# Altium PCB develboard_eva.PcbDoc (part 3 of 4)
Units mm, origin at the board's own origin, x right, y up, seen from the top; angles counter-clockwise.
Board outline 84 x 120 mm, 4 copper layers (Top Layer, Inner, GND, Bottom Layer), stack 1.668 mm thick; 201 components, 260 nets, 1028 pads, 870 vias.
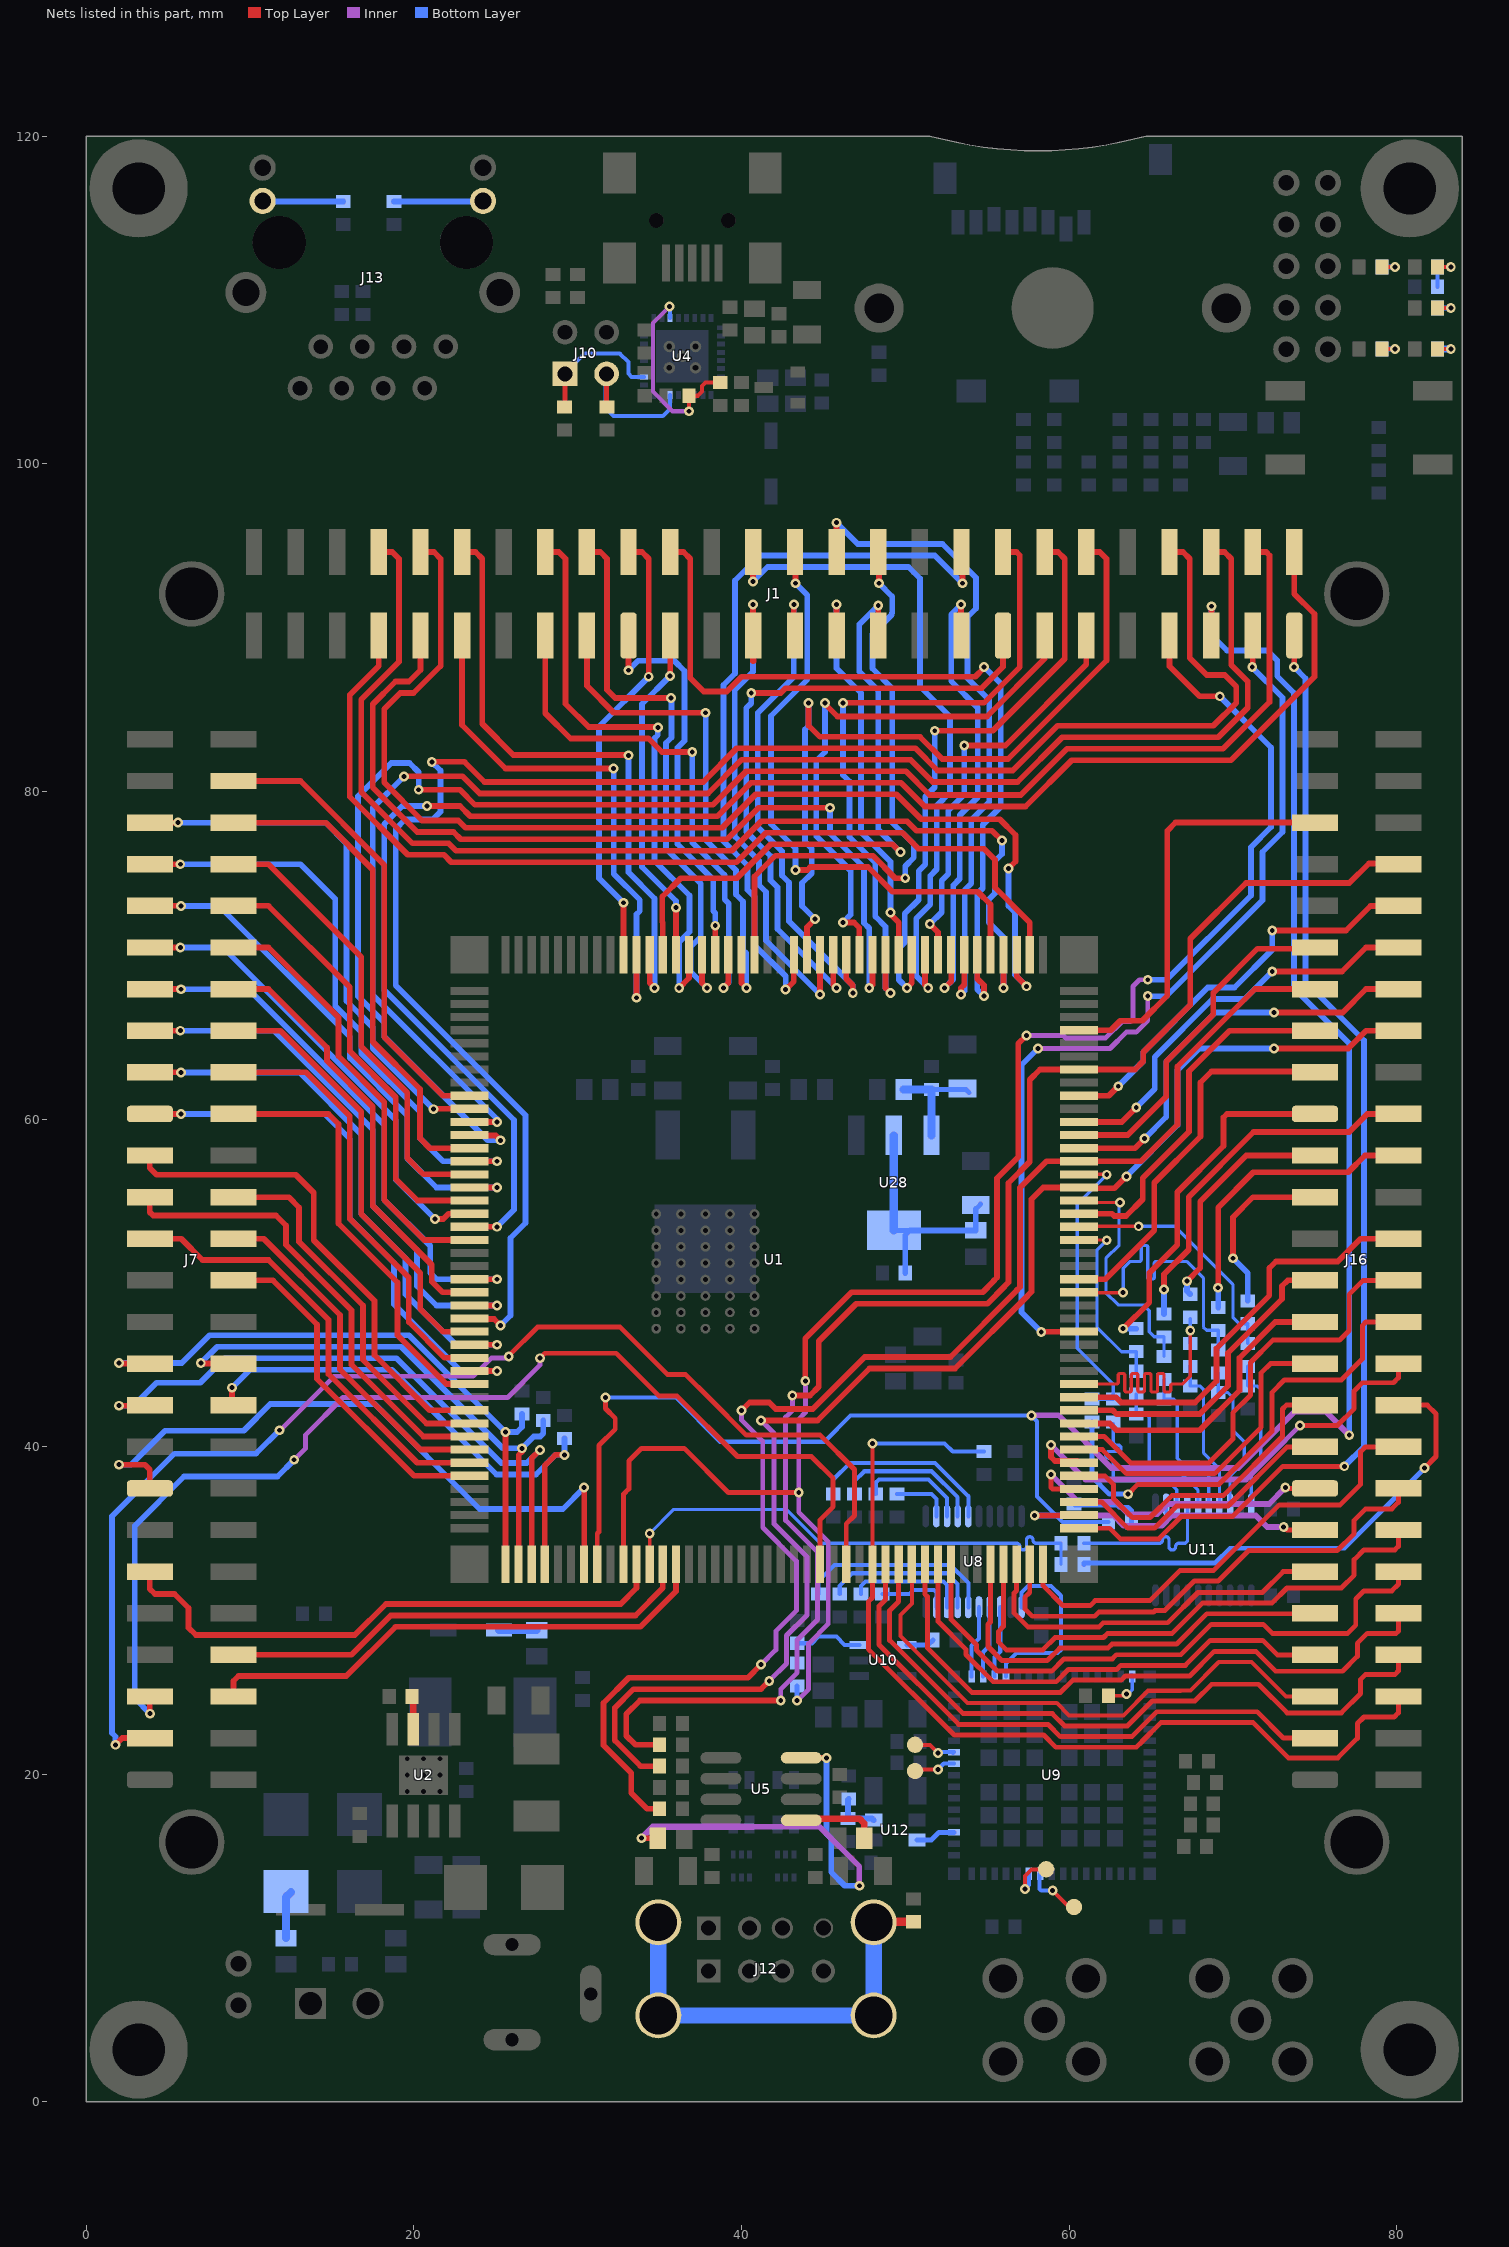
[diagram p5: the nets of this part, all layers, seen from the top]

## Via types
v1: diameter 0.6, hole 0.3, Top Layer to Bottom Layer, 866 vias
v2: diameter 0.5, hole 0.25, Top Layer to Bottom Layer, 4 vias

## Nets (pads, with @x,y where several pads share a name; then routed paths per layer and width w, separated by ;. In a path a pad name is that pad's centre, name@x,y a point inside that pad or via, vN(x,y) a via of type N, cw(c..) or ccw(c..) an arc to the next point about the centre after c; other vN are vias at no path point) (continued)
NetC49_1: C49.1 C73.2 L12.2 U28.3 | length 6.9
  Bottom Layer w0.3: C73.2@51.6,61.8 53.7,61.8 C49.1@53.9,61.6
  Bottom Layer w0.5: L12.2@49.9,61.8 C73.2@51.6,61.8 U28.3@51.6,59
NetC50_1: C50.1 C74.2 L16.2 U28.2 U28.4 | length 15
  Bottom Layer w0.3: U28.4@49.5,53.2 50.3,53.2 U28.4@50,52.9 ; C50.1@54.3,54.5 C50.1@54.6,54.8
  Bottom Layer w0.35: C74.2@50,50.6 U28.4@50,52.9 ; U28.4@50.3,53.2 L16.2@54.3,53.2 C50.1@54.3,54.5
  Bottom Layer w0.5: U28.4@49.3,53.2 U28.2@49.3,59
NetD1_2: D1.2 L2.2 | length 2.9
  Bottom Layer w0.5: L2.2@12.2,10 12.2,12.5 D1.2@12.5,12.8
NetD3_2: D3.2 R14.2 R15.2 | length 2.8
  Top Layer w0.25: D3.2@82.5,112 v1(83.3,112)
  Bottom Layer w0.25: R15.2@82.5,110.8 R14.2@82.5,112 v1(83.3,112)
NetD4_2: D4.2 R16.2 | length 1.6
  Top Layer w0.25: D4.2@79.1,107 v1(79.9,107)
  Bottom Layer w0.3: R16.2@79.1,107 v1(79.9,107)
NetD5_2: D5.2 R17.2 | length 1.6
  Top Layer w0.25: D5.2@82.5,107 v1(83.3,107)
  Bottom Layer w0.45: R17.2@82.5,107 v1(83.3,107)
NetD6_2: D6.2 L17.1 | length 2.3
  Bottom Layer w0.5: D6.2@25.2,28.8 L17.1@27.5,28.8
NetD8_2: D8.2 R8.2 | length 1.6
  Top Layer w0.25: D8.2@79.1,112 v1(79.9,112)
  Bottom Layer w0.3: R8.2@79.1,112 v1(79.9,112)
NetD17_2: D17.2 R150.2 | length 1.6
  Top Layer w0.25: D17.2@82.5,109.5 v1(83.3,109.5)
  Bottom Layer w0.3: R150.2@82.5,109.5 v1(83.3,109.5)
NetJ10_1: J10.1 R38.2 U4.2 | length 8.4
  Top Layer w0.3: R38.2@29.2,103.45 29.23,103.48 J10.1@29.23,105.48
  Bottom Layer w0.25: J10.1@29.2,105.5 30.43,106.73 32.57,106.73 33.1,106.2 33.1,105.5 33.3,105.3 U4.2@34.05,105.3
NetJ10_3: J10.3 R37.2 U4.30 | length 9.3
  Top Layer w0.3: J10.3@31.77,105.48 31.77,103.48 R37.2@31.8,103.45
  Bottom Layer w0.25: J10.3@31.7,105.5 31.7,103.4 32.2,102.9 35.2,102.9 35.65,103.35 U4.30@35.65,104.2
NetJ12_Z1: J12.Z1 J12.Z2 J12.Z3 J12.Z4 L20.1 | length 27.1
  Top Layer w0.35: J12.Z2@48.07,10.96 J12.Z2@48.11,11
  Top Layer w0.5: J12.Z2@48.11,11 L20.1@50.5,11
  Bottom Layer w1: J12.Z1@34.93,10.96 J12.Z3@34.93,5.28 J12.Z4@48.06,5.28 ; J12.Z2@48.07,10.96 J12.Z4@48.07,5.29 ; J12.Z4@48.1,5.22 48.07,5.25 J12.Z4@48.07,5.28 J12.Z4@48.07,5.29 ; J12.Z4@48.1,5.32 J12.Z4@48.07,5.29
NetJ13_9: J13.9 R55.1 | length 5.6
  Bottom Layer w0.35: R55.1@18.8,116 J13.9@24.4,116
NetJ13_11: J13.11 R56.1 | length 4.9
  Bottom Layer w0.35: J13.11@10.775,116.04 10.815,116 R56.1@15.7,116
NetL8_2: L8.2 U5.8 | length 27.4
  Top Layer w0.35: v1(33.9,16.1) 34.7,16.1 L8.2@34.8,16.2 ; U5.8@43.65,21.005 45.195,21.005 v1(45.2,21)
  Inner w0.35: 40.7,16.8 44.767,16.8 47.2,14.367 v1(47.2,13.2)
  Inner w0.4: v1(33.9,16.1) 34.6,16.8 40.7,16.8
  Bottom Layer w0.35: v1(45.2,21) 45.2,16.367 45.475,16.092 45.475,14.032 46.307,13.2 v1(47.2,13.2)
NetL9_2: L9.2 U5.5 | length 4.9
  Top Layer w0.4: U5.5@43.65,17.195 43.755,17.3 47.2,17.3 47.5,17 L9.2@47.5,16.1
NetR13_2: R13.2 U2.3 | length 2
  Top Layer w0.4: R13.2@19.9,24.75 19.965,24.685 U2.3@19.965,22.75
NetR35_2: R35.2 R36.2 U4.11 | length 12.8
  Top Layer w0.25: v1@36.9,103.1 v1(36.8,103.2) R35.2@36.8,104.15 37.35,104.15 37.6,104.4 37.6,104.75 37.8,104.95 R36.2@38.7,104.95
  Top Layer w0.35: R36.2@38.5,105.15 R36.2@38.7,104.95
  Inner w0.25: v1(35.6,109.6) 34.6,108.6 34.6,104.4 35.8,103.2 v1(36.8,103.2)
  Bottom Layer w0.25: v1(35.6,109.6) 35.65,109.55 U4.11@35.65,108.9
NetR61_1: R61.1 U8.6 | length 12.3
  Bottom Layer w0.25: R61.1@44.7,31 44.7,31.8 45.675,32.775 52.746,32.775 53.85,31.671 U8.6@53.85,30.2
NetR62_2: R62.2 R70.2 U10.3 | length 5.4
  Bottom Layer w0.25: R62.2@43.4,26.8 R70.2@43.4,28 44.3,28 44.7,28.4 45.8,28.4 46.3,27.9 U10.3@47.2,27.9
NetR63_1: R63.1 U9.64 | length 2.7
  Top Layer w0.2: R63.1@62.4,24.8 63.6,24.8 v1(63.5,24.9)
  Bottom Layer w0.2: v1(63.5,24.9) 63.6,24.9 63.85,25.15 U9.64@63.85,25.975
  Bottom Layer w0.3: U9.64@63.8,26.025 U9.64@63.85,25.975
NetR64_1: R64.1 U8.15 | length 11.6
  Bottom Layer w0.25: R64.1@45.6,37.1 45.6,37.979 46.621,39 51.821,39 53.85,36.971 U8.15@53.85,35.75
NetR65_1: R65.1 U8.7 | length 9.7
  Bottom Layer w0.25: R65.1@46,31 46,31.5 46.775,32.275 52.539,32.275 53.2,31.614 U8.7@53.2,30.2
NetR66_1: R66.1 U8.14 | length 9.2
  Bottom Layer w0.25: R66.1@46.9,37.1 46.9,37.9 47.5,38.5 51.614,38.5 53.2,36.914 U8.14@53.2,35.75
NetR67_1: R67.1 U8.8 | length 7.3
  Bottom Layer w0.25: R67.1@47.3,31 47.3,31.5 47.575,31.775 52.332,31.775 52.55,31.557 U8.8@52.55,30.2
NetR68_1: R68.1 U8.13 | length 6.7
  Bottom Layer w0.25: R68.1@48.2,37.1 48.2,37.8 48.4,38 51.407,38 52.55,36.857 U8.13@52.55,35.75
NetR69_1: R69.1 U8.9 | length 4.4
  Bottom Layer w0.25: R69.1@48.6,31 50.25,31 50.5,31.25 51.75,31.25 51.9,31.1 U8.9@51.9,30.2
NetR71_1: R71.1 U8.12 | length 3.6
  Bottom Layer w0.25: R71.1@49.5,37.1 51.6,37.1 51.9,36.8 U8.12@51.9,35.75
NetR72_2: R72.2 R80.1 U11.18 | length 9.4
  Bottom Layer w0.2: R80.1@69.1,44.5 R72.2@69.1,43.3 69.7,43.3 70,43 70,41 70.7,40.3 70.7,39.1 69.825,38.225 U11.18@69.825,36.475
NetR73_2: R73.2 R82.1 U11.16 | length 9.7
  Bottom Layer w0.2: R82.1@65.8,44.1 R73.2@65.8,42.9 66.4,42.9 66.6,42.7 66.6,39.3 66.85,39.05 67.95,39.05 68.525,38.475 U11.16@68.525,36.475
NetR74_2: R74.2 R83.1 U11.15 | length 9.4
  Bottom Layer w0.2: R83.1@64.1,43.2 R74.2@64.1,42 64.7,42 64.9,41.8 64.9,39 65.45,38.45 66.75,38.45 67.875,37.325 U11.15@67.875,36.475
NetR75_2: R75.2 R81.1 U11.17 | length 9.5
  Bottom Layer w0.2: R81.1@67.4,44.9 R75.2@67.4,43.7 68,43.7 68.2,43.5 68.2,39.639 69.175,38.664 U11.17@69.175,36.475
NetR76_2: R76.2 R79.1 U11.20 | length 9.3
  Bottom Layer w0.2: R79.1@70.9,44.9 R76.2@70.9,43.7 71.5,43.7 71.7,43.5 71.7,39.1 71.125,38.525 U11.20@71.125,36.475
NetR77_1: R77.1 U10.4 | length 1.7
  Bottom Layer w0.3: U10.4@50.1,27.9 51.4,27.9 R77.1@51.7,28.2
NetR78_2: R78.2 R86.1 U11.12 | length 7.7
  Bottom Layer w0.2: R86.1@63.8,35.4 64,35.2 65.7,35.2 65.925,35.425 U11.12@65.925,36.475
  Bottom Layer w0.3: R78.2@60.3,36.5 60.35,36.45 62.907,36.45 63.057,36.3 63.6,36.3 63.8,36.1 R86.1@63.8,35.4
NetR84_1: R84.1 U11.14 | length 9.7
  Bottom Layer w0.2: R84.1@60.9,34.1 63.5,34.1 65.5,34.1 ccw(c65.5,34.3) 65.7,34.3 65.7,34.309 cw(c65.9,34.309) 65.9,34.509 cw(c65.9,34.309) 66.1,34.309 66.1,34.1 66.1,33.891 ccw(c66.3,33.891) 66.3,33.691 ccw(c66.3,33.891) 66.5,33.891 66.5,33.9 cw(c66.7,33.9) 66.7,34.1 67.1,34.1 67.225,34.225 U11.14@67.225,36.475
NetR85_1: R85.1 U11.13 | length 9.7
  Bottom Layer w0.2: R85.1@62.7,41.4 62.7,40.7 62.7,40.3 ccw(c62.9,40.3) 62.9,40.1 62.972,40.1 cw(c62.972,39.9) 63.172,39.9 cw(c62.972,39.9) 62.972,39.7 62.7,39.7 62.428,39.7 ccw(c62.428,39.5) 62.228,39.5 ccw(c62.428,39.5) 62.428,39.3 62.5,39.3 cw(c62.5,39.1) 62.7,39.1 62.7,38.1 62.9,37.9 66.049,37.9 66.575,37.374 U11.13@66.575,36.475
NetR87_2: R87.2 R94.2 U12.1 | length 2.8
  Bottom Layer w0.35: R94.2@46.55,18.5 46.5,18.45 R87.2@46.5,17.3 47.975,17.3 U12.1@48.075,17.2
NetTp5_1: Tp5.1 U9.43 | length 2.8
  Top Layer w0.25: Tp5.1@50.5,21.8 Tp5.1@50.6,21.8 51.5,21.8 v1(52,21.3)
  Bottom Layer w0.25: v1(52,21.3) 52.05,21.35 U9.43@52.975,21.35 U9.43@52.925,21.3
NetTp6_1: Tp6.1 U9.42 | length 2.8
  Top Layer w0.25: Tp6.1@50.4,20.2 50.5,20.3 v1(52,20.3)
  Bottom Layer w0.25: v1(52,20.3) 52.35,20.65 U9.42@52.975,20.65
NetTp7_1: Tp7.1 U9.26 | length 3.5
  Top Layer w0.25: v1(59,12.9) 60,11.9 Tp7.1@60.3,11.9
  Bottom Layer w0.25: U9.26@58.2,13.9 58.2,13 58.3,12.9 v1(59,12.9)
NetTp8_1: Tp8.1 U9.27 | length 3.3
  Top Layer w0.25: v1(57.3,13) 57.3,13.8 57.7,14.2 Tp8.1@58.6,14.2
  Bottom Layer w0.25: v1(57.3,13) 57.55,13.25 U9.27@57.55,13.925
NetU8_1: U8.1 U9.53 | length 11.5
  Bottom Layer w0.25: U9.53@56.15,25.975 56.15,26.75 56.8,27.4 59.3,27.4 59.5,27.6 59.5,30.9 58.9,31.5 57.5,31.5 57.1,31.1 U8.1@57.1,30.2
NetU8_3: U8.3 U9.52 | length 4.4
  Bottom Layer w0.25: U9.52@55.45,25.975 55.45,27.15 55.8,27.5 U8.3@55.8,30.2
NetU8_4: U8.4 U9.51 | length 4.4
  Bottom Layer w0.25: U9.51@54.75,25.975 54.75,27.45 55.15,27.85 U8.4@55.15,30.2
NetU8_5: U8.5 U9.50 | length 4.4
  Bottom Layer w0.25: U9.50@54.05,25.975 54.05,27.85 54.5,28.3 U8.5@54.5,30.2
NetU9_36: U9.36 U12.3 | length 2.4
  Bottom Layer w0.3: U12.3@50.725,16 51.6,16 52.05,16.45 U9.36@52.975,16.45
PA0_LCDDAT0_TMS_A7: J1.42 U1.61 | length 46.9
  Top Layer w0.35: U1.61@44,70.02 44,71.7 v1(44.5,72.2) ; v1(44.1,85.4) 44.1,84.025 44.8,83.325 50.908,83.325 52.258,81.975 56.275,81.975 62.28,87.98 62.28,94.2 61.87,94.61 J1.42@61.05,94.61
  Bottom Layer w0.35: v1(44.1,85.4) 44.1,84 43.875,83.775 43.875,76.925 44.3,76.5 44.3,75 43.7,74.4 43.7,73 v1(44.5,72.2)
PA1_LCDDAT1_F6: J1.41 U1.51 | length 25.1
  Top Layer w0.35: v1(51.5,71.9) 52,71.4 U1.51@52,70.02 ; v1(53.6,82.8) 56.11,82.8 61.05,87.74 J1.41@61.05,89.51
  Bottom Layer w0.35: v1(51.5,71.9) 52.225,72.625 52.225,74.551 52.625,74.951 52.625,78.831 53.6,79.806 v1(53.6,82.8)
PA2_LCDDAT2_G1_TXCK_E6: J1.40 U1.53 | length 36.2
  Top Layer w0.35: v1(50.1,68) 50.4,68.3 U1.53@50.4,70.02 ; v1(51.8,83.7) 55.342,83.7 59.74,88.098 59.74,94.2 59.33,94.61 J1.40@58.51,94.61
  Bottom Layer w0.35: v1(50.1,68) 49.6,68.5 49.6,70.4 49.975,70.775 49.975,72.535 50.825,73.385 50.825,75.131 51.225,75.531 51.225,79.675 51.8,80.25 v1(51.8,83.7)
PA3_LCDDAT3_G1_RXCK_C6: J1.39 U1.57 | length 34.1
  Top Layer w0.35: v1(45.1,85.4) 45.1,85.333 45.858,84.575 54.985,84.575 58.51,88.1 J1.39@58.51,89.51 ; v1(46.2,72) 46.867,72 47.2,71.667 U1.57@47.2,70.02
  Bottom Layer w0.35: v1(45.1,85.4) 45.1,82.4 44.575,81.875 44.575,77.255 46.675,75.155 46.675,72.475 v1(46.2,72)
PA4_LCDDAT4_G1_TXEN_D6: J1.38 U1.55 | length 41
  Top Layer w0.35: v1(46.2,85.4) 54.8,85.4 56.995,87.595 56.995,94.405 56.79,94.61 J1.38@55.97,94.61 ; U1.55@48.8,70.02 48.8,68 v1(49.1,67.7)
  Bottom Layer w0.35: v1(46.2,85.4) 46.2,81 46.6,80.6 46.6,77.21 48.175,75.635 48.175,72.358 48.8,71.733 48.8,68 v1(49.1,67.7)
PA5_LCDDAT5_G1_TXER_B6: J1.37 U1.59 | length 40.4
  Top Layer w0.35: v1(40.6,86) 42.4,86 42.7,86.3 54.667,86.3 55.97,87.603 J1.37@55.97,89.51 ; U1.59@45.6,70.02 45.6,68.2 v1(45.8,68)
  Bottom Layer w0.35: v1(40.6,86) 40.6,85.38 40.3,85.08 40.3,77.53 41.775,76.055 41.775,74.568 42.2,74.143 42.2,71.6 v1(45.8,68)
PA6_LCDDAT6_G1_CRS_A6: J1.36 U1.62 | length 46.3
  Top Layer w0.35: v1(42.7,67.9) 43.2,68.4 U1.62@43.2,70.02 ; v1(53.5,92.7) J1.36@53.5,94.6
  Bottom Layer w0.35: v1(42.7,67.9) 42.7,68.71 40.8,70.61 40.8,73.563 40.375,73.988 40.375,75.475 38.9,76.95 38.9,86.49 39.61,87.2 39.61,92.877 41.133,94.4 51.8,94.4 v1(53.5,92.7)
PA7_LCDDAT7_E5: J1.35 U1.50 | length 29.3
  Top Layer w0.35: v1(52.4,68) 52.8,68.4 U1.50@52.8,70.02 ; v1(53.4,91.4) 53.4,89.53 53.43,89.5 J1.35@53.43,89.51
  Bottom Layer w0.35: v1(52.4,68) 52.925,68.525 52.925,74.262 53.325,74.661 53.325,78.541 54.425,79.641 54.425,85.108 52.8,86.733 52.8,90.8 v1(53.4,91.4)
PA8_LCDDAT8_TCK_A5: J1.32 U1.65 | length 38
  Top Layer w0.35: U1.65@40.8,70.02 40.8,74.8 42.075,76.075 48.015,76.075 49.39,74.7 v1(50,74.7) ; J1.32@48.3,95.48 48.4,95.38 v1(48.4,92.7)
  Bottom Layer w0.35: v1(48.4,92.7) 49.2,91.9 49.2,90.892 49.175,90.867 49.175,90.775 47.995,89.595 47.995,87.495 49.2,86.29 49.2,78.1 50.525,76.775 50.525,75.958 50,75.433 v1(50,74.7)
PA9_LCDDAT9_G1_COL_F4: J1.31 U1.72 | length 38
  Top Layer w0.35: U1.72@35.2,70.02 35.2,72 35.175,72.025 35.175,73.575 36.3,74.7 39.71,74.7 41.785,76.775 49.225,76.775 v1(49.7,76.3) ; J1.31@48.35,89.51 v1(48.35,91.35)
  Bottom Layer w0.35: v1(48.35,91.35) 47.2,90.2 47.2,87.3 48.35,86.15 48.35,77.65 v1(49.7,76.3)
PA10_LCDDAT10_G1_RXDV_F5: J1.30 U1.49 | length 41.1
  Top Layer w0.35: v1(45.8,96.4) 45.81,96.39 J1.30@45.81,94.61 ; v1(53.4,67.6) 53.4,68 53.6,68.2 U1.49@53.6,70.02
  Bottom Layer w0.35: v1(45.8,96.4) 47.1,95.1 52.267,95.1 54.325,93.042 54.325,91.158 53.8,90.633 53.8,86.9 55.125,85.575 55.125,79.352 54.025,78.251 54.025,74.371 53.625,73.972 53.625,67.825 v1(53.4,67.6)
PA11_LCDDAT11_G1_RXER_D5: J1.29 U1.54 | length 24.8
  Top Layer w0.35: v1(45.8,91.4) 45.8,89.52 J1.29@45.81,89.51 ; v1(49.1,72.6) 49.1,72.5 49.6,72 U1.54@49.6,70.02
  Bottom Layer w0.35: v1(45.8,91.4) 45.8,87.51 47.3,86.01 47.3,77.5 49.1,75.7 v1(49.1,72.6)
PA12_LCDDAT12_G1_RX0_G5: J1.28 U1.47 | length 37.2
  Top Layer w0.35: J1.28@43.2,94.5 43.3,94.4 v1(43.3,92.7) ; v1(43.3,75.2) 44.025,75.2 44.2,75.375 47.725,75.375 49.225,73.875 54.425,73.875 55.2,73.1 U1.47@55.2,70.02
  Bottom Layer w0.35: v1(43.3,75.2) 43.3,76.51 41.8,78.01 41.8,84.6 44.025,86.825 44.025,91.975 v1(43.3,92.7)
PA13_LCDDAT13_G1_RX1_C5: J1.27 U1.58 | length 31.4
  Top Layer w0.35: v1(43.2,91.4) 43.2,89.58 J1.27@43.27,89.51 ; U1.58@46.4,70.02 46.4,68.567 46.8,68.167 v1(46.8,67.7)
  Bottom Layer w0.35: v1(43.2,91.4) 43.2,86.99 41,84.79 41,77.82 42.475,76.345 42.475,74.858 42.9,74.433 42.9,72.067 46.8,68.167 v1(46.8,67.7)
PA14_LCDDAT14_G1_TX0_E4: J1.26 U1.52 | length 41.6
  Top Layer w0.35: v1(40.7,92.8) J1.26@40.7,94.5 ; U1.52@51.2,70.02 51.2,68.2 v1(51.4,68)
  Bottom Layer w0.35: v1(40.7,92.8) 41.6,93.7 50.2,93.7 50.9,93 50.9,86.4 52.725,84.575 52.725,79.921 51.925,79.121 51.925,75.241 51.525,74.841 51.525,73.095 51.015,72.585 50.675,72.245 50.675,68.725 v1(51.4,68)
PA15_LCDDAT15_G1_TX1_B5: J1.25 U1.60 | length 33.9
  Top Layer w0.35: v1(40.7,91.4) 40.7,87.935 40.73,87.935 J1.25@40.73,89.51 ; v1(44.8,67.6) U1.60@44.8,70.02
  Bottom Layer w0.35: v1(40.7,91.4) 40.7,87.3 39.6,86.2 39.6,77.24 41.075,75.765 41.075,74.278 41.5,73.853 41.5,70.9 v1(44.8,67.6)
PA16_LCDDAT16_NTRST_H6: J1.22 U1.48 | length 51.6
  Top Layer w0.35: J1.22@35.65,94.61 36.47,94.61 36.88,94.2 36.88,86.92 37.7,86.1 39.1,86.1 40,87 54.267,87 54.8,87.533 v1(54.8,87.6) ; U1.48@54.4,70.02 54.4,68.567 54.8,68.167 v1(54.8,67.5)
  Bottom Layer w0.35: v1(54.8,67.5) 54.4,67.9 54.4,73.757 54.725,74.082 54.725,77.961 55.825,79.062 55.825,86.575 v1(54.8,87.6)
PA17_LCDDAT17_D4: J1.21 U1.71 | length 21.1
  Top Layer w0.35: v1(35.65,87.05) J1.21@35.65,89.51 ; U1.71@36,70.02 v1(36,72.9)
  Bottom Layer w0.35: v1(35.65,87.05) 33.925,85.325 33.925,75.375 36,73.3 v1(36,72.9)
PA18_LCDDAT18_G1_RX2_G4: J1.20 U1.75 | length 27.5
  Top Layer w0.35: U1.75@32.8,70.02 v1(32.8,73.2) ; J1.20@33.11,94.61 33.93,94.61 34.34,94.2 v1(34.34,87)
  Bottom Layer w0.35: v1(32.8,73.2) 31.3,74.7 31.3,83.96 v1(34.34,87)
PA19_LCDDAT19_G1_RX3_C4: J1.19 U1.68 | length 24.5
  Top Layer w0.35: v1(33.11,87.39) J1.19@33.11,89.51 ; U1.68@38.4,70.02 v1(38.4,71.8)
  Bottom Layer w0.35: v1(33.11,87.39) 33.687,87.967 35.9,87.967 36.525,87.342 36.525,83.092 36.1,82.667 36.1,76.78 38.275,74.605 38.275,72.7 38.4,72.575 v1(38.4,71.8)
PA20_LCDDAT20_G1_TX2_A3: J1.18 U1.69 | length 35
  Top Layer w0.35: J1.18@30.57,94.61 31.39,94.61 31.8,94.2 31.8,86.2 32.3,85.7 v1(35.7,85.7) ; U1.69@37.6,70.02 37.6,68.3 v1(37.9,68)
  Bottom Layer w0.35: v1(35.7,85.7) 35.725,85.675 35.725,83.282 35.4,82.957 35.4,76.49 37.525,74.365 37.525,71.125 36.9,70.5 36.9,69 v1(37.9,68)
PA21_LCDDAT21_G1_TX3_B4: J1.17 U1.66 | length 31
  Top Layer w0.35: J1.17@30.57,89.51 30.57,86.44 32.21,84.8 v1(37.8,84.8) ; U1.66@40,70.02 40,68.3 v1(40.3,68)
  Bottom Layer w0.35: v1(37.8,84.8) 37.825,84.775 37.825,77.035 39.675,75.185 39.675,73.698 40.1,73.273 40.1,70.32 40.3,70.12 v1(40.3,68)
PA22_LCDDAT22_G1_MDC_B3: J1.16 U1.70 | length 35.9
  Top Layer w0.35: J1.16@28.03,94.61 28.85,94.61 29.26,94.2 29.26,85.34 30.675,83.925 34.875,83.925 v1(34.9,83.9) ; v1(36.2,68) 36.8,68.6 U1.70@36.8,70.02
  Bottom Layer w0.35: v1(34.9,83.9) 34.9,83.447 34.7,83.247 34.7,75.767 36.825,73.642 36.825,71.425 36.2,70.8 v1(36.2,68)
PA23_LCDDAT23_G1_MDIO_A4: J1.15 U1.67 | length 32.3
  Top Layer w0.35: J1.15@28.03,89.51 28.03,84.77 29.575,83.225 34.322,83.225 35.147,82.4 v1(37,82.4) ; v1(38.9,68) 39.2,68.3 U1.67@39.2,70.02
  Bottom Layer w0.35: v1(37,82.4) 37,76.87 38.975,74.895 38.975,73.408 39.225,73.158 39.225,68.325 v1(38.9,68)
PA24_LCDPWM_PCK0_H5: J1.10 U1.45 | length 70.6
  Top Layer w0.35: J1.10@20.41,94.61 21.23,94.61 21.64,94.2 21.64,87.65 19.99,86 19.17,86 18.2,85.03 18.2,80.533 20.508,78.225 22.712,78.225 23.162,77.775 38.825,77.775 40.875,79.825 49.455,79.825 50.98,78.3 55.767,78.3 56.725,77.342 56.725,75.725 v1(56.3,75.3) ; U1.45@56.8,70.02 56.8,68.7 v1(57.4,68.1)
  Bottom Layer w0.35: v1(56.3,75.3) 56.3,73 56.7,72.6 56.7,68.8 v1(57.4,68.1)
PA25_LCDDISP_TD0_F3: J1.12 U1.73 | length 38.2
  Top Layer w0.35: J1.12@22.95,94.61 23.77,94.61 24.18,94.2 24.18,84.12 26.075,82.225 33.075,82.225 v1(33.1,82.2) ; U1.73@34.4,70.02 34.4,68.3 v1(34.7,68)
  Bottom Layer w0.35: v1(33.1,82.2) 33.1,75.057 34.7,73.457 v1(34.7,68)
PA26_LCDVSYNC_PWMH0_SP1_NPCS1_E3: J1.9 U1.56 | length 55.1
  Top Layer w0.35: J1.9@20.41,89.51 20.41,87.41 19.7,86.7 18.88,86.7 17.5,85.32 17.5,80.243 20.218,77.525 22.422,77.525 22.872,77.075 39.115,77.075 41.04,79 v1(45.4,79) ; v1(47.8,68) 48,68.2 U1.56@48,70.02
  Bottom Layer w0.35: v1(45.4,79) 45.4,77.42 47.475,75.345 47.475,71.968 47.8,71.643 v1(47.8,68)
PA27_LCDHSYNC_PWML0_SPI1_NPCS2_H4: J1.7 U1.44 | length 59.7
  Top Layer w0.35: J1.7@17.87,89.51 17.87,87.67 16.1,85.9 16.1,79.663 19.638,76.125 21.842,76.125 22.292,75.675 39.695,75.675 41.495,77.475 49.825,77.475 50.8,76.5 54.8,76.5 55.475,75.825 55.475,74.125 57.6,72 U1.44@57.6,70.02
PA28_LCDPCK_PWMH1_SP1_NPCS3_G3: J1.11 U1.74 | length 33.2
  Top Layer w0.35: J1.11@22.95,89.51 22.95,84.05 25.6,81.4 v1(32.2,81.4) ; v1(33.6,67.4) U1.74@33.6,70.02
  Bottom Layer w0.35: v1(32.2,81.4) 32.2,74.967 33.8,73.367 33.8,72.7 33.6,72.5 v1(33.6,67.4)
PA29_LCDDEN_PWML1_J5: J1.8 U1.46 | length 70.1
  Top Layer w0.35: J1.8@17.87,94.61 18.69,94.61 19.1,94.2 19.1,87.91 16.8,85.61 16.8,79.953 19.928,76.825 22.132,76.825 22.582,76.375 39.405,76.375 41.205,78.175 50.115,78.175 50.69,77.6 55.3,77.6 v1(55.9,77) ; v1(56,68) U1.46@56,70.02
  Bottom Layer w0.35: v1(55.9,77) 55.9,76.167 55.475,75.742 55.475,73.775 55.1,73.4 55.1,72 56,71.1 v1(56,68)
PA30_TWD0_D3: J7.48 U1.140 | length 32
  Top Layer w0.35: J7.48@8.9,24.7 9,24.8 9,25.7 9.3,26 15.88,26 18.88,29 33.828,29 36,31.172 U1.140@36,32.82
PA31_TWCK0_J4: J7.46 U1.139 | length 29.3
  Top Layer w0.35: J7.46@8.99,27.29 J7.46@9,27.29 ; J7.46@9,27.3 16.19,27.3 18.59,29.7 33.53,29.7 35.2,31.37 U1.139@35.2,32.82